# Altium PCB UHF-QM1.PcbDoc (part 2 of 2)
Units mm, origin at the board's own origin, x right, y up, seen from the top; angles counter-clockwise.
Board outline 90.12 x 93.93 mm, 4 copper layers (Top Layer, Inner 1 GND, Inner 2 GND, Bottom Layer), stack 1.515 mm thick; 122 components, 85 nets, 507 pads, 430 vias.
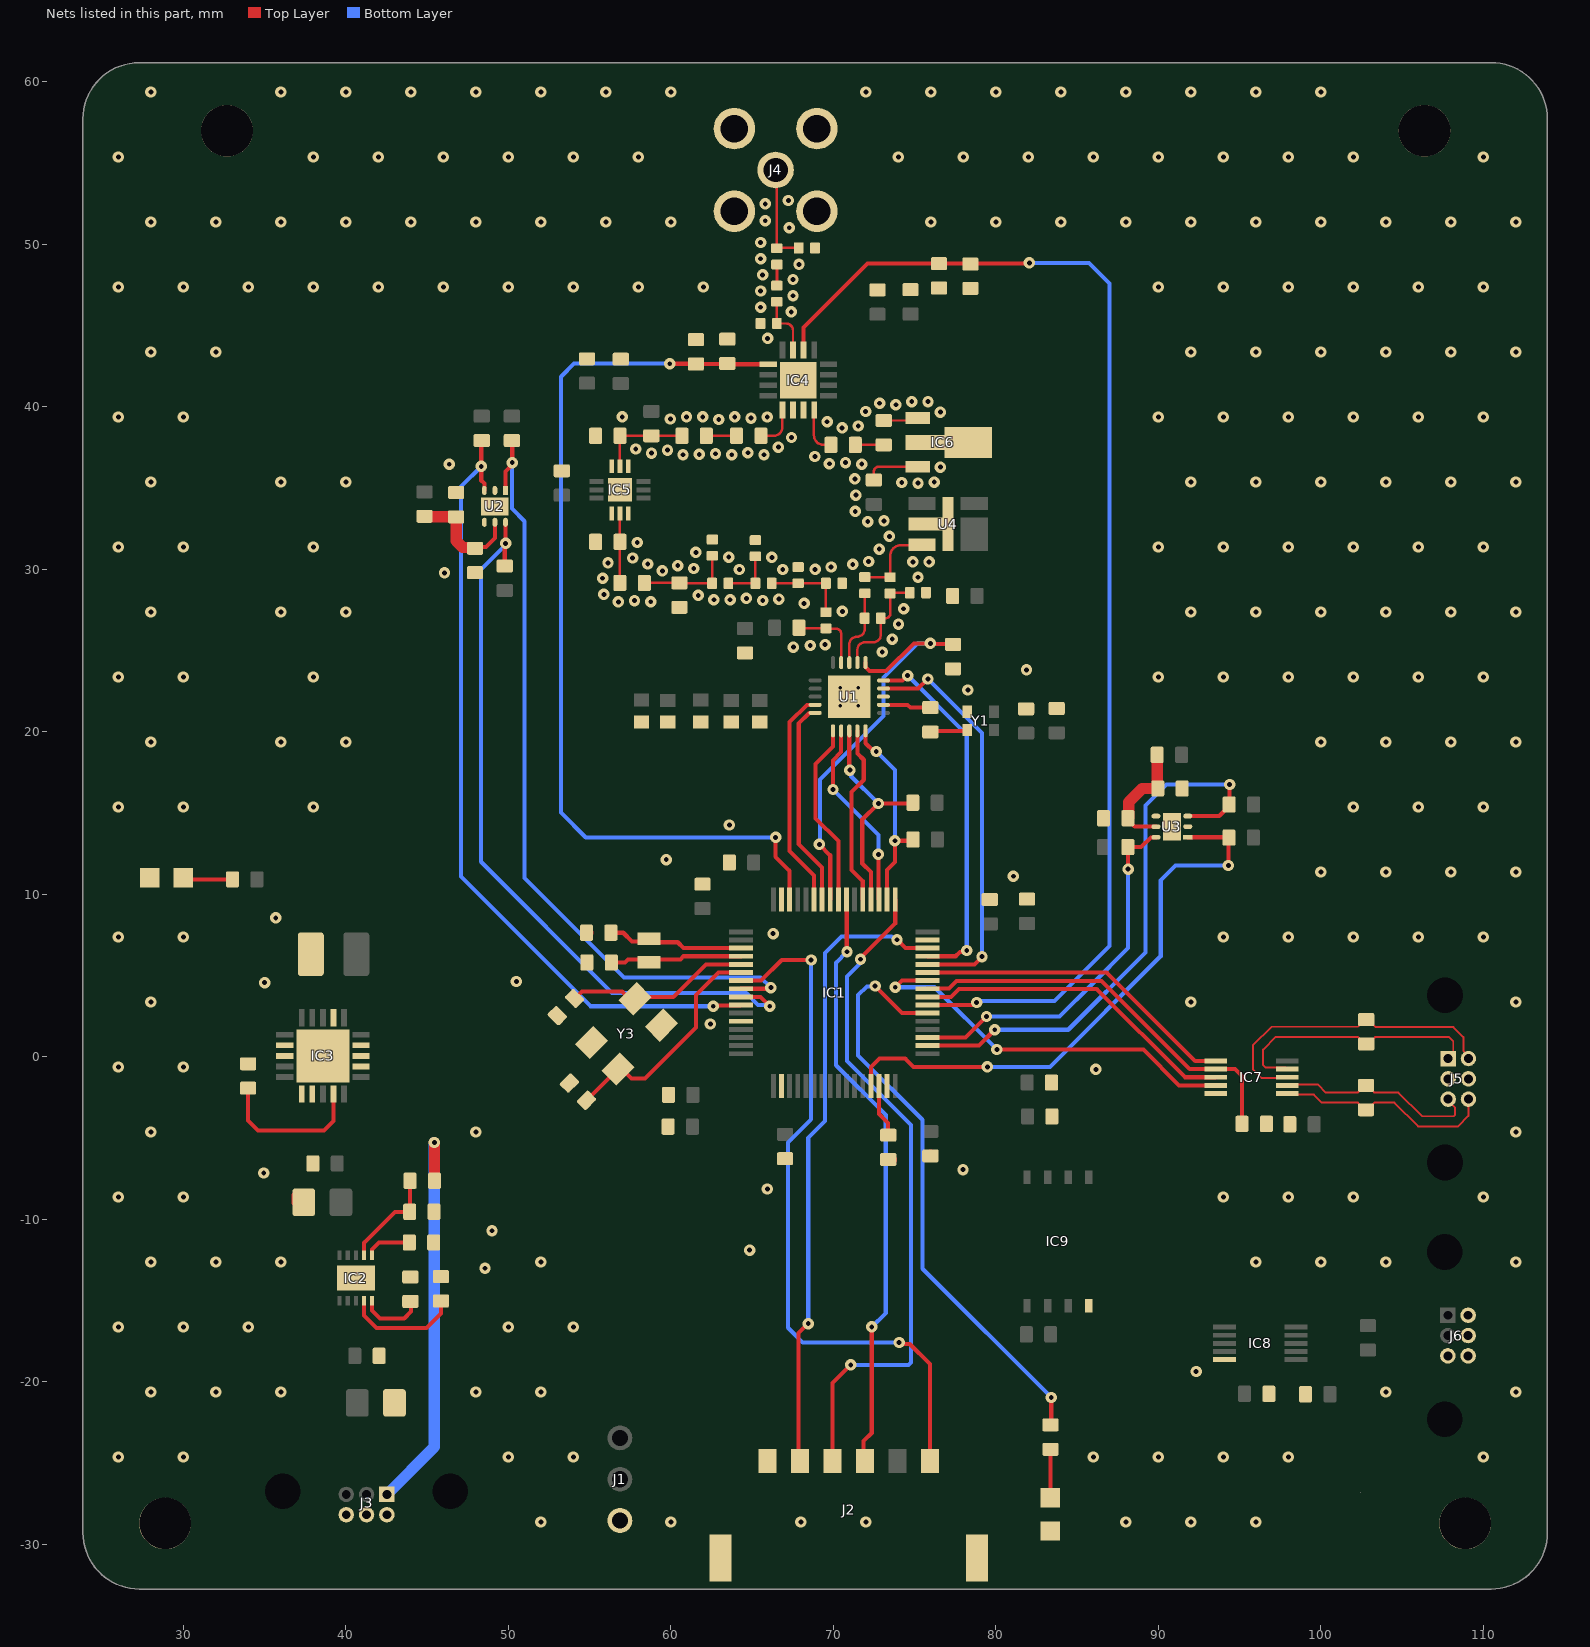
[diagram p4: the nets of this part, all layers, seen from the top]

## Via types
v1: diameter 0.7, hole 0.3, Top Layer to Bottom Layer, tented both sides, 426 vias
v2: diameter 0.5, hole 0.2, Top Layer to Bottom Layer, tented both sides, 4 vias

## Nets (pads, with @x,y where several pads share a name; then routed paths per layer and width w, separated by ;. In a path a pad name is that pad's centre, name@x,y a point inside that pad or via, vN(x,y) a via of type N, cw(c..) or ccw(c..) an arc to the next point about the centre after c; other vN are vias at no path point) (continued)
GND: C1.1 C2.1 C3.2 C5.1 C6.1 C7.1 C9.2 C10.2 C11.2 C12.2 C13.2 C14.2 C15.1 C16.1 C17.2 C18.1 C19.1 C20.1 C21.1 C22.1 C23.2 C24.2 C25.1 C26.1 C27.1 C28.1 C29.1 C30.1 C31.1 C32.1 C33.1 C34.1 C35.1 C36.2 C37.2 C39.1 C40.1 C43.2 C44.2 C45.1 C46.1 C47.1 C48.1 C49.2 C50.2 C51.2 C54.1 C55.1 C56.1 C60.1 C61.2 C62.2 C63.1 C64.1 IC1.12 IC1.18 IC1.31 IC1.47 IC1.63 IC2.11 IC3.2 IC3.7 IC3.8 IC3.11 IC3.12 IC3.17 IC3.18 IC3.19 IC3.21 IC4.10 IC4.11 IC4.17 IC5.1 IC5.3 IC5.7 IC5.9 IC5.13 IC6.2 IC6.4 IC7.5 IC8.5 IC9.4 J1.3 J2.1 J2.7 J2.8 J3.4 J3.5 J3.6 J4.2 J4.3 J4.4 J4.5 J5.2 J5.5 J6.3 J6.4 J6.5 J6.6 L4.2 L7.1 LED1.2 LED2.2 pad.1@28.88,-28.702 pad.1@32.69,56.998 pad.1@106.375,56.998 pad.1@108.88,-28.702 R3.2 R4.2 R6.2 R7.1 R18.2 R20.2 U1.18 U1.21 U2.2 U2.4 U2.7 U3.2 U3.4 U3.7 U4.5 U4.6 Y1.2 Y3.2 Y3.4 | length 0.6
  Top Layer w0.254: C27.1@66.931,-6.262 C27.1@67.031,-6.262
  Top Layer w0.7: C20.1@37.007,-8.941 C20.1@37.007,-8.541 ; C16.1@54.825,5.829 C16.1@54.837,5.817 ; C15.1@54.876,7.645 C15.1@54.889,7.633 ; C35.1@73.558,-6.313 C35.1@73.571,-6.325 ; C31.1@75.959,-6.071 C31.1@75.985,-6.045
  other v1: 52,-28.618 60,-28.618 68,-28.618 72,-28.618 88,-28.618 92,-28.618 96,-28.618 26,-24.618 30,-24.618 50,-24.618 54,-24.618 86,-24.618 90,-24.618 94,-24.618 98,-24.618 110,-24.618 28,-20.618 32,-20.618 36,-20.618 48,-20.618 52,-20.618 104,-20.618 112,-20.618 92.329,-19.355 26,-16.618 30,-16.618 34,-16.618 50,-16.618 54,-16.618 48.565,-13.005 28,-12.618 32,-12.618 36,-12.618 52,-12.618 96,-12.618 100,-12.618 104,-12.618 112,-12.618 64.846,-11.887 48.997,-10.693 26,-8.618 30,-8.618 94,-8.618 98,-8.618 102,-8.618 110,-8.618 65.938,-8.128 34.95,-7.137 77.978,-6.934 28,-4.618 48,-4.618 112,-4.618 86.157,-0.762 26,-0.618 30,-0.618 62.433,2.032 28,3.382 92,3.382 112,3.382 35.001,4.572 50.495,4.648 26,7.382 30,7.382 94,7.382 98,7.382 102,7.382 106,7.382 110,7.382 66.294,7.595 35.687,8.56 81.077,11.125 100,11.382 104,11.382 108,11.382 112,11.382 59.715,12.141 63.602,14.275 26,15.382 30,15.382 38,15.382 102,15.382 106,15.382 110,15.382 28,19.382 36,19.382 40,19.382 100,19.382 104,19.382 108,19.382 112,19.382 78.283,22.581 26,23.382 30,23.382 38,23.382 90,23.382 94,23.382 98,23.382 102,23.382 106,23.382 110,23.382 81.89,23.825 73.01,24.923 67.539,25.222 68.58,25.324 69.494,25.375 73.624,25.712 74.009,26.635 28,27.382 36,27.382 40,27.382 92,27.382 96,27.382 100,27.382 104,27.382 108,27.382 112,27.382 70.557,27.423 74.329,27.583 68.199,27.915 56.768,28.009 58.763,28.017 57.765,28.081 65.659,28.092 62.651,28.134 63.651,28.134 66.646,28.174 64.647,28.222 61.689,28.408 55.879,28.466 55.805,29.463 75.214,29.522 46.076,29.794 59.482,29.91 64.216,30.001 66.887,29.998 68.876,30.006 61.412,30.061 69.866,30.149 60.427,30.236 58.577,30.336 71.191,30.317 56.131,30.408 74.898,30.471 75.898,30.471 72.175,30.494 57.646,30.703 66.218,30.741 63.565,30.761 61.542,31.053 72.825,31.254 26,31.382 30,31.382 38,31.382 90,31.382 94,31.382 98,31.382 102,31.382 106,31.382 110,31.382 57.934,31.66 73.452,32.033 72.121,32.945 73.12,32.989 71.345,33.576 71.384,34.575 75.21,35.311 74.211,35.355 28,35.382 36,35.382 40,35.382 76.208,35.377 92,35.382 96,35.382 100,35.382 104,35.382 108,35.382 112,35.382 71.328,35.574 76.589,36.301 46.361,36.474 71.747,36.482 69.754,36.504 70.751,36.573 68.861,36.954 60.752,37.063 63.75,37.063 65.735,37.063 61.752,37.08 62.751,37.121 58.809,37.163 64.742,37.185 59.792,37.343 57.841,37.415 66.621,37.526 67.425,38.121 70.543,38.712 71.536,38.832 69.618,39.091 62.949,39.228 59.971,39.262 64.933,39.315 26,39.382 30,39.382 90,39.382 94,39.382 98,39.382 102,39.382 106,39.382 110,39.382 57.008,39.391 60.962,39.391 61.962,39.391 63.936,39.391 65.93,39.385 76.588,39.682 71.989,39.724 73.846,40.14 72.85,40.232 74.828,40.331 75.828,40.331 28,43.382 32,43.382 92,43.382 96,43.382 100,43.382 104,43.382 108,43.382 112,43.382 65.954,44.218 67.409,45.85 65.523,46.137 67.515,46.844 65.523,47.137 26,47.382 30,47.382 34,47.382 38,47.382 42,47.382 46,47.382 50,47.382 54,47.382 58,47.382 62,47.382 90,47.382 94,47.382 98,47.382 102,47.382 106,47.382 110,47.382 67.515,47.844 65.645,48.13 67.887,48.772 65.528,49.123 65.528,50.123 67.285,51.029 28,51.382 32,51.382 36,51.382 40,51.382 44,51.382 48,51.382 52,51.382 56,51.382 60,51.382 76,51.382 80,51.382 84,51.382 88,51.382 92,51.382 96,51.382 100,51.382 104,51.382 108,51.382 112,51.382 65.811,51.46 65.811,52.502 67.234,52.705 26,55.382 38,55.382 42,55.382 46,55.382 50,55.382 54,55.382 58,55.382 74,55.382 78,55.382 82,55.382 86,55.382 90,55.382 94,55.382 98,55.382 102,55.382 110,55.382 28,59.382 36,59.382 40,59.382 44,59.382 48,59.382 52,59.382 56,59.382 60,59.382 72,59.382 76,59.382 80,59.382 84,59.382 88,59.382 92,59.382 96,59.382 100,59.382
  other v2: 70.431,21.62 71.531,21.62 70.431,22.72 71.531,22.72
GPIO_1: IC1.38 R22.2 | length 36.6
  Top Layer w0.254: v1(72.568,4.369) 74.235,2.702 IC1.38@75.796,2.702 ; R22.2@83.363,-22.643 83.414,-22.593 v1(83.414,-20.955)
  Bottom Layer w0.254: v1(72.568,4.369) 72.546,4.347 72.064,4.347 71.526,3.81 71.526,0.102 75.489,-3.861 75.489,-13.03 v1(83.414,-20.955)
HSE_IN: C14.1 IC1.5 Y3.3 | length 11.5
  Top Layer w0.254: C14.1@54.074,3.604 54.098,3.604 54.533,4.039 57.007,4.039 57.464,3.582 Y3.3@57.798,3.582 57.904,3.688 60.152,3.688 62.166,5.702 IC1.5@64.32,5.702
HSE_OUT: C17.1 IC1.6 Y3.1 | length 14.4
  Top Layer w0.254: C17.1@54.813,-2.667 56.737,-0.743 Y3.1@56.737,-0.731 56.992,-0.731 57.582,-1.321 58.42,-1.321 61.544,1.803 61.544,3.81 62.936,5.202 IC1.6@64.32,5.202
LNAIN: C59.2 IC6.1 | length 2.2
  Top Layer w0.152: C59.2@73.101,39.167 IC6.1@75.337,39.167
Lnaout: C58.1 IC6.3 | length 3.4
  Top Layer w0.152: C58.1@72.492,35.509 72.492,36.017 cw(c72.796,36.017) 72.796,36.322 IC6.3@75.184,36.322
LSE_IN: C15.2 IC1.3 Y2.1 | length 8.4
  Top Layer w0.254: C15.2@56.312,7.645 57.074,7.645 57.619,7.1 58.65,7.1 58.689,7.061 60.427,7.061 60.786,6.702 IC1.3@64.32,6.702
LSE_OUT: C16.2 IC1.4 Y2.2 | length 8.1
  Top Layer w0.254: C16.2@56.337,5.817 57.175,5.817 57.359,6 60.585,6 60.786,6.202 IC1.4@64.32,6.202
NetC4_2: C4.2 C5.2 L2.1 L4.1 | length 5.1
  Top Layer w0.152: L2.1@66.206,29.146 C5.2@67.831,29.146 L4.1@69.545,29.146 C4.2@69.545,27.373
NetC6_2: C6.2 L2.2 L3.1 | length 3.3
  Top Layer w0.152: L3.1@63.539,29.146 L2.2@65.206,29.146 C6.2@65.206,30.806
NetC8_1: C8.1 U1.17 | length 3
  Top Layer w0.254: U1.17@73.081,21.67 74.572,21.67 74.74,21.502 C8.1@75.971,21.502
NetC23_1: C23.1 IC2.6 | length 2.8
  Top Layer w0.254: IC2.6@41.618,-12.201 41.618,-11.849 42.05,-11.417 C23.1@43.907,-11.417
NetC24_1: C24.1 IC2.4 | length 7.1
  Top Layer w0.254: IC2.4@41.118,-15.001 41.118,-15.907 41.897,-16.686 44.953,-16.686 45.851,-15.788 C24.1@45.851,-15.014
NetC26_2: C26.2 IC3.14 | length 9.4
  Top Layer w0.254: C26.2@33.985,-1.918 33.985,-3.912 34.595,-4.521 38.659,-4.521 39.243,-3.937 IC3.14@39.243,-2.286
NetC38_1: C38.1 L5.2 | length 1.3
  Top Layer w0.18: L5.2@66.523,47.473 C38.1@66.523,48.768
NetC38_2: C38.2 C40.2 J4.1 | length 6.4
  Top Layer w0.152: C40.2@67.869,49.784 C38.2@66.523,49.784 ; C38.2@66.523,49.768 C38.2@66.523,49.784 ; C38.2@66.523,49.768 J4.1@66.523,54.508 ; C38.2@66.523,49.768 C38.2@66.523,49.784 ; J4.1@66.523,54.508 ccw(c66.446,54.508) J4.1@66.446,54.585 cw(c66.446,54.508) J4.1@66.523,54.508
NetC39_2: C39.2 IC4.3 L5.1 | length 3.8
  Top Layer w0.152: L5.1@66.523,46.473 C39.2@66.523,45.136 67.081,45.136 cw(c67.081,44.699) 67.518,44.699 IC4.3@67.518,43.506
NetC45_2: C45.2 C46.2 R8.1 U2.5 | length 7
  Top Layer w0.254: C46.2@48.14,31.389 48.636,31.389 49.174,31.928 U2.5@49.174,32.906
  Top Layer w0.7: R8.1@44.84,33.275 44.86,33.255 46.767,33.255 C45.2@46.787,33.235 46.787,31.763 47.197,31.353 47.902,31.353 C46.2@47.952,31.303
NetC47_2: C47.2 C48.2 R12.1 U3.5 | length 7.1
  Top Layer w0.254: C48.2@88.124,14.594 88.545,14.173 U3.5@89.854,14.173
  Top Layer w0.7: C48.2@88.124,14.694 88.174,14.744 88.174,15.682 89.014,16.523 C47.2@89.965,16.523 ; C47.2@89.928,16.56 R12.1@89.928,18.593
NetIC2_5: IC2.5 R4.1 | length 4.1
  Top Layer w0.254: IC2.5@41.618,-15.001 41.618,-15.607 42.097,-16.086 43.597,-16.086 44.011,-15.672 44.011,-15.179 R4.1@43.871,-15.039
NetJ3_1: J3.1 R5.1 | length 25.2
  Top Layer w0.7: v1(45.447,-5.264) 45.454,-5.271 R5.1@45.454,-7.569
  Bottom Layer w0.7: J3.1@42.525,-26.919 45.447,-23.997 v1(45.447,-5.264)
NetLED1_1: LED1.1 R22.1 | length 3
  Top Layer w0.254: LED1.1@83.337,-27.114 83.363,-27.089 R22.1@83.363,-24.143
NetLED2_1: LED2.1 R23.1 | length 3.1
  Top Layer w0.254: LED2.1@29.985,11.024 30.079,10.929 R23.1@33.027,10.929
NRST: IC1.7 J2.6 | length 43.7
  Top Layer w0.254: IC1.7@64.32,4.702 65.558,4.702 66.825,5.969 v1(68.631,5.969) ; v1(74.047,-17.569) 74.132,-17.654 74.702,-17.654 75.947,-18.898 J2.6@75.947,-24.861
  Bottom Layer w0.254: v1(68.631,5.969) 68.631,-3.835 67.208,-5.258 67.208,-16.662 68.115,-17.569 v1(74.047,-17.569)
OBC_IN_N: IC7.8 J5.4 R16.1 | length 19.3
  Top Layer w0.12: IC7.8@97.933,-1.245 97.897,-1.28 96.339,-1.28 95.824,-0.765 95.824,0.714 96.969,1.859 102.284,1.859 102.354,1.93 102.354,1.938 102.715,2.299 R16.1@102.794,2.299 102.915,2.299 103.378,1.836 108.154,1.836 108.769,1.222 108.769,0.387 109.084,0.072 J5.4@109.084,-0.098
OBC_IN_P: IC7.9 J5.1 R16.2 | length 16.2
  Top Layer w0.12: IC7.9@97.933,-0.745 97.848,-0.66 96.596,-0.66 96.444,-0.508 96.444,0.457 97.226,1.239 102.284,1.239 102.354,1.169 102.354,1.161 102.715,0.799 R16.2@102.794,0.799 102.915,0.799 103.333,1.216 107.897,1.216 108.149,0.965 108.149,0.217 J5.1@107.834,-0.098
OBC_OUT_N: IC7.6 J5.6 R17.1 | length 13.7
  Top Layer w0.12: IC7.6@97.933,-2.245 98.01,-2.322 99.574,-2.322 100.06,-2.808 101.843,-2.808 102.273,-2.808 102.344,-2.878 102.344,-2.886 102.705,-3.248 R17.1@102.784,-3.248 102.862,-3.248 103.224,-2.886 103.224,-2.878 103.294,-2.808 103.725,-2.808 104.521,-2.808 105.98,-4.267 108.441,-4.267 109.084,-3.625 J5.6@109.084,-2.598
OBC_OUT_P: IC7.7 J5.3 R17.2 | length 12.7
  Top Layer w0.12: IC7.7@97.933,-1.745 97.975,-1.702 99.831,-1.702 100.317,-2.188 102.099,-2.188 102.273,-2.188 102.344,-2.118 102.344,-2.109 102.705,-1.748 R17.2@102.784,-1.748 102.862,-1.748 103.224,-2.109 103.224,-2.118 103.294,-2.188 103.468,-2.188 104.778,-2.188 106.237,-3.647 108.185,-3.647 108.255,-3.577 108.255,-3.103 107.834,-2.682 J5.3@107.834,-2.598
OBC_RS485_DE: IC1.40 IC7.3 | length 20.2
  Top Layer w0.254: IC1.40@75.796,3.702 77.242,3.702 77.731,4.191 86.208,4.191 91.643,-1.245 IC7.3@93.533,-1.245
OBC_RS485_RE: IC1.41 IC7.2 R18.1 | length 24.9
  Top Layer w0.254: IC1.41@75.796,4.202 75.819,4.225 77.123,4.225 77.572,4.674 86.512,4.674 91.931,-0.745 IC7.2@93.533,-0.745 94.725,-0.745 95.148,-1.168 R18.1@95.148,-4.115
OBC_RS485_RX: IC1.43 IC7.1 | length 20
  Top Layer w0.254: IC1.43@75.796,5.202 86.822,5.202 92.269,-0.245 IC7.1@93.533,-0.245
OBC_RS485_TX: IC1.42 IC7.4 | length 24.4
  Top Layer w0.254: v1(73.812,4.293) 74.222,4.702 IC1.42@75.796,4.702 ; v1(80.061,0.457) 89.078,0.457 91.28,-1.745 IC7.4@93.533,-1.745
  Bottom Layer w0.254: v1(73.812,4.293) 76.225,4.293 v1(80.061,0.457)
PA_IN: C7.2 C52.2 L3.2 L7.2 | length 5.9
  Top Layer w0.152: C52.2@58.369,29.173 L7.2@60.528,29.173 ; L7.2@60.555,29.146 L3.2@62.539,29.146 C7.2@62.539,30.857
PA_IN_2: C52.1 C54.2 IC5.2 | length 4.3
  Top Layer w0.152: C52.1@56.869,29.173 C54.2@56.869,31.698 ; C54.2@56.871,31.699 IC5.2@56.871,33.45
PAout: C53.2 C55.2 IC5.8 L6.1 | length 6.1
  Top Layer w0.152: IC5.8@56.871,36.35 C55.2@56.871,38.227 L6.1@58.801,38.227 C53.2@60.681,38.227 ; C53.2@60.681,38.227 60.886,38.227 C53.2@60.681,38.227
POWER_EN: C25.2 IC2.7 R5.2 | length 6.3
  Top Layer w0.254: IC2.7@41.118,-12.201 41.118,-11.434 43.015,-9.537 43.932,-9.537 43.943,-9.526 43.943,-7.58 R5.2@43.954,-7.569
RF1TX: C41.1 IC4.9 | length 2.7
  Top Layer w0.152: C41.1@65.545,38.227 66.345,38.227 ccw(c66.345,38.735) 66.853,38.735 IC4.9@66.853,39.806 ; IC4.9@66.853,39.806 IC4.9@66.868,39.806 IC4.9@66.853,39.806
RF2RX: C42.1 IC4.12 | length 2.9
  Top Layer w0.152: C42.1@69.849,37.668 69.393,37.668 cw(c69.393,38.252) 68.809,38.252 IC4.12@68.809,39.806 ; IC4.12@68.809,39.806 IC4.12@68.818,39.806 IC4.12@68.809,39.806
RF_Tx: C4.1 L1.2 U1.4 | length 5.1
  Top Layer w0.152: U1.4@70.481,24.27 70.481,26.039 ccw(c70.155,26.039) 70.155,26.365 C4.1@69.545,26.365 ; L1.2@67.882,26.416 ccw(c67.925,26.416) L1.2@67.925,26.373 ; L1.2@67.882,26.416 ccw(c67.925,26.416) L1.2@67.925,26.373 ; L1.2@67.882,26.416 ccw(c67.925,26.416) L1.2@67.925,26.373 ; L1.2@67.882,26.416 ccw(c67.925,26.416) L1.2@67.925,26.373 ; L1.2@67.882,26.416 ccw(c67.925,26.416) L1.2@67.925,26.373 ; L1.2@67.882,26.416 ccw(c67.925,26.416) L1.2@67.925,26.373 ; L1.2@67.882,26.416 ccw(c67.925,26.416) L1.2@67.925,26.373 ; L1.2@67.882,26.416 ccw(c67.925,26.416) L1.2@67.925,26.373 ; L1.2@67.925,26.373 C4.1@69.545,26.373 ; C4.1@69.545,26.365 C4.1@69.545,26.373 ; C4.1@69.545,26.365 C4.1@69.545,26.373 ; C4.1@69.545,26.365 C4.1@69.545,26.373 ; C4.1@69.545,26.365 C4.1@69.545,26.373
rfBIAS: C57.2 L8.1 U4.2 | length 5.3
  Top Layer w0.152: C57.2@71.941,29.524 C57.2@71.941,29.532 C57.2@71.941,29.524 ; C57.2@71.941,29.524 L8.1@73.49,29.524 73.49,30.818 cw(c74.168,30.818) 74.168,31.496 U4.2@75.426,31.496 ; U4.2@75.426,31.496 ccw(c75.426,31.521) U4.2@75.452,31.521 cw(c75.426,31.521) U4.2@75.426,31.496
RFRx_N: C57.1 L9.2 U1.3 | length 4.8
  Top Layer w0.15: U1.3@70.981,24.27 70.981,25.388 cw(c71.45,25.388) 71.45,25.857 ccw(c71.45,26.34) 71.933,26.34 L9.2@71.933,27 ; L9.2@71.933,27 71.941,27 L9.2@71.933,27
  Top Layer w0.152: L9.2@71.941,27 C57.1@71.941,28.532
RFRx_P: C60.2 L8.2 L9.1 U1.2 | length 7.3
  Top Layer w0.152: U1.2@71.481,24.27 71.481,25.05 cw(c71.958,25.05) 71.958,25.527 72.466,25.527 ccw(c72.466,25.984) 72.923,25.984 L9.1@72.923,27 73.228,27 ccw(c73.228,27.28) 73.508,27.28 L8.2@73.508,28.524 ; C60.2@74.701,28.575 L8.2@73.541,28.575 ; L8.2@73.49,28.524 cw(c73.541,28.524) L8.2@73.541,28.575 ; L8.2@73.49,28.524 cw(c73.541,28.524) L8.2@73.541,28.575 ; L8.2@73.49,28.524 cw(c73.541,28.524) L8.2@73.541,28.575 ; L8.2@73.49,28.524 cw(c73.541,28.524) L8.2@73.541,28.575 ; L8.2@73.49,28.524 L8.2@73.508,28.524 ; L8.2@73.49,28.524 L8.2@73.508,28.524 ; L8.2@73.49,28.524 L8.2@73.508,28.524 ; L8.2@73.49,28.524 L8.2@73.508,28.524
Si_GPIO0: IC1.59 U1.9 | length 13.5
  Top Layer w0.254: IC1.59@68.808,9.69 68.808,11.177 67.31,12.675 67.31,20.606 68.374,21.67 U1.9@68.881,21.67
Si_GPIO1: IC1.58 U1.10 | length 12.7
  Top Layer w0.254: U1.10@68.881,21.17 68.516,21.17 67.869,20.523 67.869,13.106 69.308,11.667 IC1.58@69.308,9.69
Si_GPIO2: IC1.44 U1.19 | length 25
  Top Layer w0.254: U1.19@73.081,22.67 75.223,22.67 v1(75.815,23.263) ; IC1.44@75.796,5.702 78.676,5.702 v1(79.146,6.172)
  Bottom Layer w0.254: v1(75.815,23.263) 79.146,19.931 v1(79.146,6.172)
Si_GPIO3: IC1.45 U1.20 | length 22.6
  Top Layer w0.254: U1.20@73.081,23.17 74.25,23.17 74.549,23.47 v1(74.574,23.47) ; IC1.45@75.796,6.202 77.531,6.202 77.797,6.468 78.121,6.468 v1(78.207,6.553)
  Bottom Layer w0.254: v1@74.583,23.461 78.207,19.837 v1(78.207,6.553)
Si_NIRQ: IC1.56 U1.11 | length 11.4
  Top Layer w0.254: U1.11@69.981,20.07 69.981,19.105 68.91,18.034 68.91,14.681 70.308,13.283 IC1.56@70.308,9.69
Si_NSEL: IC1.50 R1.2 U1.15 | length 12.6
  Top Layer w0.254: U1.15@71.981,20.07 71.981,19.306 72.492,18.796 v1(72.644,18.796) ; IC1.50@73.308,9.69 73.308,11.51 73.787,11.989 v1(73.787,13.31) 74.827,13.31 R1.2@74.903,13.386
  Bottom Layer w0.254: v1(72.644,18.796) 73.787,17.653 v1(73.787,13.31)
Si_SCLK: IC1.51 U1.12 | length 11.8
  Top Layer w0.254: v1(69.977,16.459) 69.977,18.255 70.481,18.759 U1.12@70.481,20.07 ; v1(72.771,12.471) 72.79,12.453 72.79,9.708 IC1.51@72.808,9.69
  Bottom Layer w0.254: v1(69.977,16.459) 72.771,13.665 v1(72.771,12.471)
Si_SDI: IC1.53 U1.14 | length 11.1
  Top Layer w0.254: U1.14@71.481,20.07 71.481,18.681 71.871,18.292 71.871,17.058 71.12,16.307 71.12,11.506 71.808,10.818 IC1.53@71.808,9.69
Si_SDN: IC1.57 R3.1 U1.1 | length 25.8
  Top Layer w0.254: v1(69.139,13.081) 69.808,12.412 IC1.57@69.808,9.69 ; U1.1@71.981,24.27 71.981,23.999 72.233,23.747 73.252,23.747 74.955,25.451 v1(75.971,25.451) 76.003,25.419 77.337,25.419 R3.1@77.368,25.388
  Bottom Layer w0.254: v1@69.17,13.081 69.17,17.074 73.076,20.98 73.076,23.343 75.184,25.451 v1(75.971,25.451) v1@75.997,25.425
Si_SDO: IC1.52 R2.2 U1.13 | length 13.8
  Top Layer w0.254: U1.13@70.981,20.07 70.981,17.69 v1(71.018,17.653) ; IC1.52@72.308,9.69 72.308,11.385 71.78,11.913 71.78,14.605 v1(72.771,15.596) 74.813,15.596 R2.2@74.839,15.57
  Bottom Layer w0.254: v1(71.018,17.653) 71.104,17.568 71.104,17.263 v1(72.771,15.596)
SWCLK: IC1.49 J2.3 | length 41.5
  Top Layer w0.254: J2.3@69.947,-24.861 69.947,-20.071 v1(71.069,-18.948) ; v1(71.67,6.011) 71.67,6.087 73.808,8.225 IC1.49@73.808,9.69
  Bottom Layer w0.254: v1(71.069,-18.948) 74.629,-18.948 74.778,-18.8 74.778,-4.191 70.841,-0.254 70.841,4.953 71.67,5.782 v1(71.67,6.011)
SWDIO: IC1.46 J2.2 | length 39
  Top Layer w0.254: J2.2@67.866,-24.861 67.866,-16.995 v1(68.453,-16.408) ; v1(73.914,7.214) 73.953,7.214 74.451,6.716 75.781,6.716 IC1.46@75.796,6.702
  Bottom Layer w0.254: v1(68.453,-16.408) 68.453,-4.978 69.482,-3.95 69.482,6.388 70.51,7.417 73.59,7.417 73.793,7.214 v1(73.914,7.214)
SWDO: IC1.55 J2.4 | length 37
  Top Layer w0.254: IC1.55@70.808,9.69 70.823,9.675 70.823,6.494 v1(70.839,6.479) ; J2.4@71.866,-25.146 71.866,-23.638 72.364,-23.14 72.364,-19.075 v1(72.365,-16.612)
  Bottom Layer w0.254: v1(70.839,6.479) 70.155,5.795 70.155,-0.508 73.228,-3.581 73.228,-15.748 v1(72.365,-16.612)
Switch_EN: C44.1 IC1.62 IC4.5 R7.2 | length 58
  Top Layer w0.254: v1(59.931,42.659) 61.531,42.659 R7.2@61.544,42.647 63.449,42.647 ccw(c63.449,42.672) C44.1@63.475,42.672 ccw(c63.516,42.672) 63.516,42.631 IC4.5@65.993,42.631 ; v1(66.446,13.513) 66.446,12.319 67.308,11.457 IC1.62@67.308,9.69
  Bottom Layer w0.254: v1(59.931,42.659) 59.919,42.672 54.051,42.672 53.238,41.859 53.238,15.037 54.762,13.513 v1(66.446,13.513)
Switch_RX: C42.2 C59.1 | length 1.8
  Top Layer w0.152: C42.2@71.349,37.668 C59.1@73.101,37.668
Switch_TX: C41.2 C53.1 | length 1.9
  Top Layer w0.152: C53.1@62.181,38.227 C41.2@64.045,38.227
Switch_VCTL: C43.1 IC1.39 IC4.2 R6.1 | length 75.8
  Top Layer w0.254: IC4.2@68.174,43.506 68.174,44.882 72.111,48.819 78.435,48.819 78.449,48.832 82.03,48.832 v1(82.067,48.87) ; IC1.39@75.796,3.202 78.545,3.202 78.696,3.353 v1(78.816,3.353)
  Bottom Layer w0.254: v1(78.816,3.353) 78.901,3.438 83.6,3.438 86.995,6.833 86.995,47.6 85.725,48.87 v1(82.067,48.87)
Temp1_Alert: IC1.34 R13.1 U3.3 | length 34.7
  Top Layer w0.254: IC1.34@75.796,0.702 78.959,0.702 v1(79.934,1.676) ; U3.3@91.81,14.823 93.75,14.823 94.359,15.432 R13.1@94.359,15.532 94.386,15.56 v1(94.386,16.764)
  Bottom Layer w0.254: v1(79.934,1.676) 84.455,1.676 89.205,6.426 89.205,15.469 90.5,16.764 v1(94.386,16.764)
Temp1_SCL: IC1.29 R15.1 U3.1 | length 35.7
  Top Layer w0.254: IC1.29@72.308,-1.786 72.308,-0.629 72.836,-0.102 74.422,-0.102 74.93,-0.61 v1(79.477,-0.61) ; U3.1@91.81,13.523 94.323,13.523 R15.1@94.346,13.5 94.328,13.482 94.328,11.803 v1(94.31,11.786)
  Bottom Layer w0.254: v1(79.477,-0.61) 83.337,-0.61 90.145,6.198 90.145,10.871 91.059,11.786 v1(94.31,11.786)
Temp1_SDA: IC1.35 R14.1 U3.6 | length 22.8
  Top Layer w0.254: IC1.35@75.796,1.202 77.038,1.202 77.04,1.199 77.646,1.199 77.648,1.202 78.138,1.202 v1(79.426,2.489) ; v1(88.138,11.557) 88.124,11.571 R14.1@88.124,12.916 88.938,12.916 89.538,13.515 89.847,13.515 U3.6@89.854,13.523
  Bottom Layer w0.254: v1(79.426,2.489) 83.922,2.489 85.903,4.47 88.138,6.706 v1(88.138,11.557)
Temp2_Alert: IC1.10 R9.1 U2.3 | length 49.3
  Top Layer w0.254: R9.1@48.307,37.716 48.333,37.69 v1(48.333,36.344) 48.333,35.48 48.524,35.289 U2.3@48.524,34.862 ; v1(62.611,3.124) 62.666,3.179 64.297,3.179 IC1.10@64.32,3.202
  Bottom Layer w0.254: v1(48.333,36.344) 47.092,35.103 47.092,11.1 55.067,3.124 v1(62.611,3.124)
Temp2_SCL: IC1.8 R11.1 U2.1 | length 49
  Top Layer w0.254: U2.1@49.824,34.862 49.824,36.039 50.241,36.455 50.241,37.909 R11.1@50.216,37.934 ; IC1.8@64.32,4.202 66.091,4.202 v1(66.159,4.27)
  Bottom Layer w0.254: v1(50.241,36.576) 50.216,36.551 50.216,33.757 51.003,32.969 51.003,11.024 57.125,4.902 65.527,4.902 v1(66.159,4.27)
Temp2_SDA: IC1.9 R10.1 U2.6 | length 46.4
  Top Layer w0.254: R10.1@49.781,30.211 49.781,31.594 v1@49.806,31.62 ; U2.6@49.824,32.906 49.828,32.902 49.828,31.611 v1(49.831,31.607) ; IC1.9@64.32,3.702 65.513,3.702 v1(66.091,3.124)
  Bottom Layer w0.254: v1(49.831,31.607) 49.831,31.518 48.311,29.997 48.311,12.014 56.388,3.937 64.643,3.937 65.37,3.21 66.005,3.21 v1(66.091,3.124)
VCAP: C35.2 IC1.30 | length 3
  Top Layer w0.254: IC1.30@72.808,-1.786 72.808,-3.517 73.355,-4.064 C35.2@73.355,-4.523
XIN: C8.2 Y1.3 | length 2.3
  Top Layer w0.254: C8.2@75.971,19.99 76.034,20.053 78.179,20.053 Y1.3@78.242,20.115
pads on no net: FM1.FM FM2.FM IC1.2 IC1.11 IC1.21 IC1.24 IC1.25 IC1.28 IC1.33 IC1.54 IC1.61 IC3.4 IC3.5 IC3.6 IC3.9 IC3.10 IC4.4 IC4.6 IC4.7 IC4.8 IC4.13 IC4.14 IC4.15 IC4.16 IC5.4 IC5.5 IC5.6 IC5.10 IC5.11 J3.7 J3.8 J5.7 J5.8 J6.7 J6.8 U1.5 U1.7 U1.16 U4.4 Y1.1

## Polygon pours and split planes (outlines as drawn)
GND on Top Layer "Top Layer-GND" (solid, pour order 45): 1348 vertices, not listed, extent 55.447,22.855 77.305,41.345
GND on Top Layer "Top Layer-GND 1" (solid, pour order 44): 344 vertices, not listed, extent 64.307,41.967 69.189,56.724
GND on Top Layer "GND_L01_P039" (solid, remove dead copper, pour order 39): 23.476,-30.279 ccw(c26.625,-29.774) 26.975,-32.944 110.345,-32.944 ccw(c110.506,-29.226) 114.227,-29.215 113.956,57.978 ccw(c110.588,58.277) 110.927,61.64 27.2,61.389 ccw(c27.296,57.677) 23.583,57.664
12v on Top Layer "12V_L01_P000" (solid, pour order 0): 41.641,-27.559 39.014,-27.559 38.71,-27.254 38.71,-14.923 39.047,-14.586 40.747,-14.586 40.843,-14.682 40.843,-16.782 41.173,-17.113 41.173,-20.113 41.91,-20.849 41.91,-27.222
12vefuse on Top Layer "12VEFUSE_L01_P010" (solid, pour order 10): 40.716,-12.598 40.843,-12.471 40.843,-7.341 42.57,-5.613 42.57,-1.321 42.266,-1.016 40.411,-1.016 40.386,-1.041 40.386,-1.594 40.276,-1.676 39.7,-1.676 39.624,-1.753 39.624,-4.521 38.811,-5.334 38.811,-12.344 39.065,-12.598
3v3 on Top Layer "3V3_L01_P027" (solid, remove dead copper, pour order 27): 69.336,21.971 67.767,21.971 67.056,21.26 56.794,21.26 56.49,21.565 56.515,21.59 56.515,23.571 56.921,23.978 69.039,23.978 69.444,23.573 69.444,22.068
3v3 on Top Layer "3V3_L01_P003" (solid, pour order 3): 40.183,1.803 40.361,1.626 40.361,1.194 40.437,1.118 45.847,1.118 46.533,1.803 46.533,10.566 45.669,11.43 40.462,11.43 39.649,10.617 39.649,1.803
GND on Inner 1 GND "GND_L02_P034" (solid, remove dead copper, pour order 34): 23.476,-30.279 ccw(c26.625,-29.774) 26.975,-32.944 110.345,-32.944 ccw(c110.506,-29.226) 114.227,-29.215 113.956,57.978 ccw(c110.588,58.277) 110.927,61.64 27.2,61.389 ccw(c27.296,57.677) 23.583,57.664
GND on Inner 2 GND "GND_L03_P036" (solid, remove dead copper, pour order 36): 23.476,-30.279 ccw(c26.625,-29.774) 26.975,-32.944 110.345,-32.944 ccw(c110.506,-29.226) 114.227,-29.215 113.956,57.978 ccw(c110.588,58.277) 110.927,61.64 27.2,61.389 ccw(c27.296,57.677) 23.583,57.664
GND on Bottom Layer "GND_L04_P035" (solid, remove dead copper, pour order 35): 23.476,-30.279 ccw(c26.625,-29.774) 26.975,-32.944 110.345,-32.944 ccw(c110.506,-29.226) 114.227,-29.215 113.956,57.978 ccw(c110.588,58.277) 110.927,61.64 27.2,61.389 ccw(c27.296,57.677) 23.583,57.664

## Other copper
Top Layer:
  pour cut-out: 67.749,44.586 67.826,44.509 67.891,44.509 67.891,44.231 67.749,44.231 67.749,44.578 67.764,44.593 67.808,44.593 67.891,44.509
  pour cut-out: 72.268,26.527 72.611,26.527 72.693,26.446 72.693,25.896 72.554,25.757 72.055,25.757 71.993,25.82 71.993,26.252
  pour cut-out: 72.493,29.18 72.908,29.18 72.981,29.107 72.981,28.396 72.884,28.299 73.163,28.02 73.163,27.596 72.949,27.381 72.187,27.381 72.187,27.891 72.45,28.155 72.45,29.066
  pour cut-out: 36.322,2.362 37.617,2.362 37.643,2.337 37.643,1.067 36.347,1.067
Inner 1 GND:
  pour cut-out: 64.322,57.164 64.322,52.123 68.571,52.123 68.605,52.158 68.605,57.215
Inner 2 GND:
  pour cut-out: 64.246,57.088 64.246,52.047 68.494,52.047 68.529,52.082 68.529,57.138

## Silkscreen, mask and mechanical layers (free items; w line width, h text height)
Top Overlay:
  drawing of 64 lines, arcs and shapes, not listed
  text "HERMES" at 91.135,31.09 h3
  text "Power Indicator" at 27.508,12.344 h1.52
  text "PUT IT BACK" at 67.97,2.565 h1.52
  text "OBC RS485" at 100.863,-8.585 h1.52
  text "EPS RS485" at 100.686,-12.725 h1.52
  text "FLASH" at 88.722,-13.157 h1.52 r90
  text "BOOT" at 54.966,-21.59 h1.52
  text "SWD" at 61.773,-23.774 h1.52
  text "POWER" at 44.552,-24.333 h1.52
  text "0 - - - 1" at 54.536,-29.085 h0.8 r90
Bottom Overlay:
  text "-SHLOK SHARMA" at 76.683,-27.762 h2
Top Solder:
  circle w3: c106.375,56.998 r1.762
  circle w3: c32.69,56.998 r1.742
  circle w3: c108.88,-28.702 r1.771
  circle w3: c28.88,-28.702 r1.59
  lines w0.3: 56.869,31.698 56.869,33.448 ; 56.871,29.174 56.871,31.699 ; 56.871,36.35 56.871,38.227 58.801,38.227 60.681,38.227 ; 58.369,29.173 60.528,29.173 ; 60.555,29.146 62.539,29.146 62.539,30.857 ; 62.181,38.227 64.045,38.227 ; 63.539,29.146 65.206,29.146 65.206,30.806 ; 65.545,38.227 66.345,38.227 ccw(c66.345,38.735) 66.853,38.735 66.853,39.806 ; 66.206,29.146 67.831,29.146 69.545,29.146 69.545,27.373 ; 66.523,46.473 66.523,45.136 67.081,45.136 cw(c67.081,44.699) 67.518,44.699 67.518,43.506 ; 66.523,47.473 66.523,48.768 ; 66.523,49.768 66.523,54.508 ; 66.523,49.784 67.869,49.784 ; 67.925,26.373 69.545,26.373 ; 68.809,39.806 68.809,38.252 ccw(c69.393,38.252) 69.393,37.668 69.849,37.668 ; 69.545,26.365 70.155,26.365 cw(c70.155,26.039) 70.481,26.039 70.481,24.27 ; 70.981,24.27 70.981,25.388 cw(c71.45,25.388) 71.45,25.857 ccw(c71.45,26.34) 71.933,26.34 71.933,27 ; 71.349,37.668 73.101,37.668 ; 71.481,24.27 71.481,25.05 cw(c71.958,25.05) 71.958,25.527 72.466,25.527 ccw(c72.466,25.984) 72.923,25.984 72.923,27 73.228,27 ccw(c73.228,27.28) 73.508,27.28 73.508,28.524 ; 71.941,27 71.941,28.532 ; 71.941,29.524 73.49,29.524 73.49,30.818 cw(c74.168,30.818) 74.168,31.496 75.426,31.496 ; 72.492,35.509 72.492,36.017 cw(c72.796,36.017) 72.796,36.322 75.184,36.322 ; 72.544,34.061 75.452,34.061 ; 73.101,39.167 75.337,39.167 ; 73.541,28.575 74.701,28.575
  lines w3: 29.642,-31.471 69.077,-31.471 109.144,-31.471 110.536,-31.471 ccw(c110.536,-29.129) 112.192,-30.785 ccw(c110.781,-29.374) 112.776,-29.374 112.776,56.439 112.776,57.544 ; 32.029,-31.471 26.493,-31.471 cw(c26.493,-29.996) 25.451,-31.039 cw(c26.616,-29.874) 24.968,-29.874 24.968,-27.661 24.968,57.586 cw(c27.657,57.586) 25.756,59.487 cw(c26.982,58.26) 26.982,59.995 28.448,60.096 60.706,60.096 ; 60.706,60.096 ccw(c60.706,60.096) 60.706,60.096 ; 60.706,60.096 72.111,60.096 110.134,60.096 110.84,60.096 cw(c110.84,58.796) 111.76,59.715 ; 111.76,59.715 112.04,59.436 ; 111.76,59.715 112.04,59.436 ; 112.04,59.436 cw(c110.262,57.658) 112.776,57.658 ; 112.776,57.544 112.776,57.556 112.776,57.544 ; 112.776,57.544 112.776,57.658 ; 112.776,57.544 112.776,57.658
  text "3mm" at 32.69,56.998 h1.52
  text "3mm" at 32.69,56.998 h1.52
Bottom Solder:
  circle w3: c108.88,-28.702 r1.771
  circle w3: c32.69,56.998 r1.742
  circle w3: c28.88,-28.702 r1.59
  circle w3: c106.375,56.998 r1.762
  lines w3: 29.642,-31.471 69.077,-31.471 109.144,-31.471 110.536,-31.471 ccw(c110.536,-29.129) 112.192,-30.785 ccw(c110.781,-29.374) 112.776,-29.374 112.776,56.439 112.776,57.544 ; 32.029,-31.471 26.493,-31.471 cw(c26.493,-29.996) 25.451,-31.039 cw(c26.616,-29.874) 24.968,-29.874 24.968,-27.661 24.968,57.586 cw(c27.657,57.586) 25.756,59.487 cw(c26.982,58.26) 26.982,59.995 28.448,60.096 110.134,60.096 110.84,60.096 cw(c110.84,58.796) 111.76,59.715 ; 111.76,59.715 112.04,59.436 ; 111.76,59.715 112.04,59.436 ; 112.04,59.436 cw(c110.262,57.658) 112.776,57.658 ; 112.776,57.544 112.776,57.658 ; 112.776,57.544 112.776,57.556 112.776,57.544 ; 112.776,57.544 112.776,57.658
  text "3mm" at 32.69,56.998 h1.52
  text "3mm" at 32.69,56.998 h1.52
Mechanical 1:
  lines w0.15: 23.825,-29.272 ccw(c27.294,-29.272) 27.294,-32.741 36.195,-32.741 110.476,-32.741 ccw(c110.476,-29.272) 113.944,-29.272 113.944,57.72 ccw(c110.476,57.72) 110.476,61.189 27.294,61.189 ccw(c27.294,57.72) 23.825,57.72 23.825,-29.272
Top 3D Body:
  lines w0.15: 23.825,-29.272 ccw(c27.294,-29.272) 27.294,-32.741 36.195,-32.741 110.476,-32.741 ccw(c110.476,-29.272) 113.944,-29.272 113.944,57.72 ccw(c110.476,57.72) 110.476,61.189 27.294,61.189 ccw(c27.294,57.72) 23.825,57.72 23.825,-29.272
Mechanical 4:
  circle w0.013: c108.88,-28.702 r1.6
  circle w0.013: c106.375,56.998 r1.6
  circle w0.013: c32.69,56.998 r1.6
  circle w0.013: c28.88,-28.702 r1.6
Drill Drawing:
  drawing of 642 lines, arcs and shapes, not listed
  text "Symbol" at 26.44,110.49 h1.83
  text "Count" at 39.289,110.49 h1.83
  text "Hole Size" at 54.525,110.49 h1.83
  text "Plated" at 83.473,110.49 h1.83
  text "Hole Type" at 96.322,110.49 h1.83
  text "Drill Layer Pair" at 114.96,110.49 h1.83
  text "Via/Pad" at 153.049,110.49 h1.83
  text "Pad Shape" at 168.031,110.49 h1.83
  text "Template" at 186.974,110.49 h1.83
  text "Description" at 206.019,110.49 h1.83
  text "Hole Tolerance (+)" at 227.705,110.49 h1.83
  text "Hole Tolerance (-)" at 261.578,110.49 h1.83
  text "1" at 39.289,106.68 h1.52
  text "1.500mm (59.06mil)" at 54.525,106.68 h1.52
  text "PTH" at 83.473,106.68 h1.52
  text "Round" at 96.322,106.68 h1.52
  text "Top Layer - Bottom Layer" at 114.96,106.68 h1.52
  text "Pad" at 153.049,106.68 h1.52
  text "Rounded" at 168.031,106.68 h1.52
  text "c225h150" at 186.974,106.68 h1.52
  text "3" at 39.289,102.87 h1.52
  text "1.000mm (39.37mil)" at 54.525,102.87 h1.52
  text "PTH" at 83.473,102.87 h1.52
  text "Round" at 96.322,102.87 h1.52
  text "Top Layer - Bottom Layer" at 114.96,102.87 h1.52
  text "Pad" at 153.049,102.87 h1.52
  text "Rounded" at 168.031,102.87 h1.52
  text "c152h100" at 186.974,102.87 h1.52
  text "4" at 39.289,99.06 h1.52
  text "0.200mm (7.87mil)" at 54.525,99.06 h1.52
  text "PTH" at 83.473,99.06 h1.52
  text "Round" at 96.322,99.06 h1.52
  text "Top Layer - Bottom Layer" at 114.96,99.06 h1.52
  text "Via" at 153.049,99.06 h1.52
  text "Rounded" at 168.031,99.06 h1.52
  text "v50h20m0mx0" at 186.974,99.06 h1.52
  text "4" at 39.289,95.25 h1.52
  text "1.700mm (66.93mil)" at 54.525,95.25 h1.52
  text "PTH" at 83.473,95.25 h1.52
  text "Round" at 96.322,95.25 h1.52
  text "Top Layer - Bottom Layer" at 114.96,95.25 h1.52
  text "Pad" at 153.049,95.25 h1.52
  text "Rounded" at 168.031,95.25 h1.52
  text "c255h170" at 186.974,95.25 h1.52
  text "4" at 39.289,91.44 h1.52
  text "3.180mm (125.20mil)" at 54.525,91.44 h1.52
  text "PTH" at 83.473,91.44 h1.52
  text "Round" at 96.322,91.44 h1.52
  text "Top Layer - Bottom Layer" at 114.96,91.44 h1.52
  text "Pad" at 153.049,91.44 h1.52
  text "Rounded" at 168.031,91.44 h1.52
  text "(Mixed)" at 186.974,91.44 h1.52
  text "6" at 39.289,87.63 h1.52
  text "2.200mm (86.61mil)" at 54.525,87.63 h1.52
  text "NPTH" at 83.473,87.63 h1.52
  text "Round" at 96.322,87.63 h1.52
  text "Top Layer - Bottom Layer" at 114.96,87.63 h1.52
  text "Pad" at 153.049,87.63 h1.52
  text "Rounded" at 168.031,87.63 h1.52
  text "c110hn220" at 186.974,87.63 h1.52
  text "18" at 39.289,83.82 h1.52
  text "0.550mm (21.65mil)" at 54.525,83.82 h1.52
  text "PTH" at 83.473,83.82 h1.52
  text "Round" at 96.322,83.82 h1.52
  text "Top Layer - Bottom Layer" at 114.96,83.82 h1.52
  text "Pad" at 153.049,83.82 h1.52
  text "(Mixed)" at 168.031,83.82 h1.52
  text "(Mixed)" at 186.974,83.82 h1.52
  text "426" at 39.289,80.01 h1.52
  text "0.300mm (11.81mil)" at 54.525,80.01 h1.52
  text "PTH" at 83.473,80.01 h1.52
  text "Round" at 96.322,80.01 h1.52
  text "Top Layer - Bottom Layer" at 114.96,80.01 h1.52
  text "Via" at 153.049,80.01 h1.52
  text "Rounded" at 168.031,80.01 h1.52
  text "v70h30m0mx0" at 186.974,80.01 h1.52
  text "466 Total" at 39.289,76.2 h1.52
  text "PCB SPECIFICATIONS :" at 117.551,45.669 h3
  text "A.   SURFACE FINISH :" at 117.311,41.595 h3
  text "X  ENIG" at 155.811,41.595 h3
  text "IMMERSION SILVER" at 172.311,41.595 h3
  text "IMMERSION TIN" at 206.561,41.595 h3
  text "HASL" at 155.811,38.595 h3
  text "HASL (PB-FREE)" at 172.311,38.595 h3
  text "GOLDEN FINGER" at 206.561,38.595 h3
  text "B.   IMPEDANCE CONTROL :" at 117.311,35.595 h3
  text "THE BOARD CONTAINS IMPEDANCE CONTROLLED TRACKS, SO PLEASE FOLLOW THE LAYER STACK GIVEN BELOW" at 155.296,35.306 h3
  text "C.   LAYER STACK :" at 117.196,29.591 h3
  text "THE LAYER STACK WAS TAKEN FROM THE PCBPower WEBSITE AND THE IMPEDANCE HAS BEEN" at 155.321,29.464 h3
  text "CALCULATED ACCORDING TO IT, THE TABLE HAS BEEN MENTIONED ABOVE." at 155.397,26.721 h3
  text "For 50 Ohm:" at 118.796,19.939 h1.52
  text "Layer" at 119.863,15.9 h1.52
  text "Width" at 176.886,15.621 h1.52
  text "Impedance" at 188.519,15.621 h1.52
  text "Bottom Ref" at 158.013,15.596 h1.52
  text "Deviation" at 203.962,15.596 h1.52
  text "Top Ref" at 138.303,14.961 h1.52
  text "Top Layer" at 119.736,11.252 h1.52
  text "Inner GND 1" at 157.734,11.176 h1.52
  text "0.152mm" at 176.632,11.125 h1.52
  text "49.99" at 188.29,11.074 h1.52
  text "0.03%" at 203.937,10.922 h1.52
  text "Top Layer" at 138.684,7.112 h1.52
  text "Inner GND 1" at 119.812,7.036 h1.52
  text "0%" at 203.86,6.985 h1.52
  text "Inner GND 2" at 157.582,6.96 h1.52
  text "0.091mm" at 176.505,6.883 h1.52
  text "50" at 188.519,6.807 h1.52
  text "Inner GND 1" at 138.887,3.2 h1.52
  text "Inner GND 2" at 119.761,3.099 h1.52
  text "0.091mm" at 176.428,2.972 h1.52
  text "50" at 188.671,2.896 h1.52
  text "Bottom Layer" at 157.505,2.87 h1.52
  text "0%" at 203.937,2.819 h1.52
  text "Layer" at 227.613,0.424 h1.52
  text "Name" at 238.025,0.424 h1.52
  text "Material" at 261.64,0.424 h1.52
  text "Thickness" at 276.876,0.424 h1.52
  text "Constant" at 293.382,0.424 h1.52
  text "Board Layer Stack" at 307.857,0.424 h1.52
  text "0.152mm" at 176.428,-0.737 h1.52
  text "Inner GND 2" at 139.04,-0.787 h1.52
  text "Bottom Layer" at 119.837,-0.813 h1.52
  text "49.99" at 188.443,-0.813 h1.52
  text "0.03%" at 203.987,-0.94 h1.52
  text "Top Overlay" at 238.025,-2.624 h1.52
  text "Top Solder" at 238.025,-5.672 h1.52
  text "SM-001" at 261.64,-5.672 h1.52
  text "0.98mil" at 276.876,-5.672 h1.52
  text "4" at 293.382,-5.672 h1.52
  text "1" at 227.613,-8.72 h1.52
  text "Top Layer" at 238.025,-8.72 h1.52
  text "CF-004" at 261.64,-8.72 h1.52
  text "0.69mil" at 276.876,-8.72 h1.52
  text "For 120 Ohm:" at 118.491,-9.5 h1.52
  text "Dielectric 1" at 238.025,-11.768 h1.52
  text "PP-014" at 261.64,-11.768 h1.52
  text "4.13mil" at 276.876,-11.768 h1.52
  text "4.2" at 293.382,-11.768 h1.52
  text "Layer" at 119.659,-13.498 h1.52
  text "Width" at 176.682,-13.777 h1.52
  text "Impedance" at 188.316,-13.777 h1.52
  text "Bottom Ref" at 157.81,-13.803 h1.52
  text "Deviation" at 203.759,-13.803 h1.52
  text "Top Ref" at 138.1,-14.438 h1.52
  text "2" at 227.613,-14.816 h1.52
  text "Inner 1 GND" at 238.025,-14.816 h1.52
  text "CF-004" at 261.64,-14.816 h1.52
  text "1.38mil" at 276.876,-14.816 h1.52
  text "Dielectric 3" at 238.025,-17.864 h1.52
  text "Core-043" at 261.64,-17.864 h1.52
  text "47.24mil" at 276.876,-17.864 h1.52
  text "4.3" at 293.382,-17.864 h1.52
  text "Top Layer" at 119.532,-18.146 h1.52
  text "Inner GND 1" at 157.531,-18.222 h1.52
  text "0.1mm" at 176.428,-18.273 h1.52
  text "119.19" at 188.087,-18.324 h1.52
  text "0.68%" at 203.733,-18.476 h1.52
  text "3" at 227.613,-20.912 h1.52
  text "Inner 2 GND" at 238.025,-20.912 h1.52
  text "CF-004" at 261.64,-20.912 h1.52
  text "1.38mil" at 276.876,-20.912 h1.52
  text "Top Layer" at 138.481,-22.286 h1.52
  text "Inner GND 1" at 119.609,-22.363 h1.52
  text "0.01%" at 203.657,-22.413 h1.52
  text "Inner GND 2" at 157.378,-22.439 h1.52
  text "0.018mm" at 176.301,-22.515 h1.52
  text "120.01" at 188.316,-22.591 h1.52
  text "Dielectric 4" at 238.025,-23.96 h1.52
  text "PP-014" at 261.64,-23.96 h1.52
  text "4.13mil" at 276.876,-23.96 h1.52
  text "4.2" at 293.382,-23.96 h1.52
  text "Inner GND 1" at 138.684,-26.198 h1.52
  text "Inner GND 2" at 119.558,-26.3 h1.52
  text "0.018mm" at 176.225,-26.427 h1.52
  text "120.01" at 188.468,-26.503 h1.52
  text "Bottom Layer" at 157.302,-26.528 h1.52
  text "0.01%" at 203.733,-26.579 h1.52
  text "4" at 227.613,-27.008 h1.52
  text "Bottom Layer" at 238.025,-27.008 h1.52
  text "CF-004" at 261.64,-27.008 h1.52
  text "0.69mil" at 276.876,-27.008 h1.52
  text "Bottom Solder" at 238.025,-30.056 h1.52
  text "SM-001" at 261.64,-30.056 h1.52
  text "0.98mil" at 276.876,-30.056 h1.52
  text "4" at 293.382,-30.056 h1.52
  text "0.1mm" at 176.225,-30.135 h1.52
  text "Inner GND 2" at 138.836,-30.186 h1.52
  text "Bottom Layer" at 119.634,-30.211 h1.52
  text "119.19" at 188.239,-30.211 h1.52
  text "0.68%" at 203.784,-30.338 h1.52
  text "Bottom Overlay" at 238.025,-33.104 h1.52

## Dimensions
23.597,56.718 to 114.148,56.083 on Drill Drawing
29.083,61.468 to 30.455,-32.842 on Drill Drawing